# KiCad board labathome_pcb15.kicad_pcb (continued)
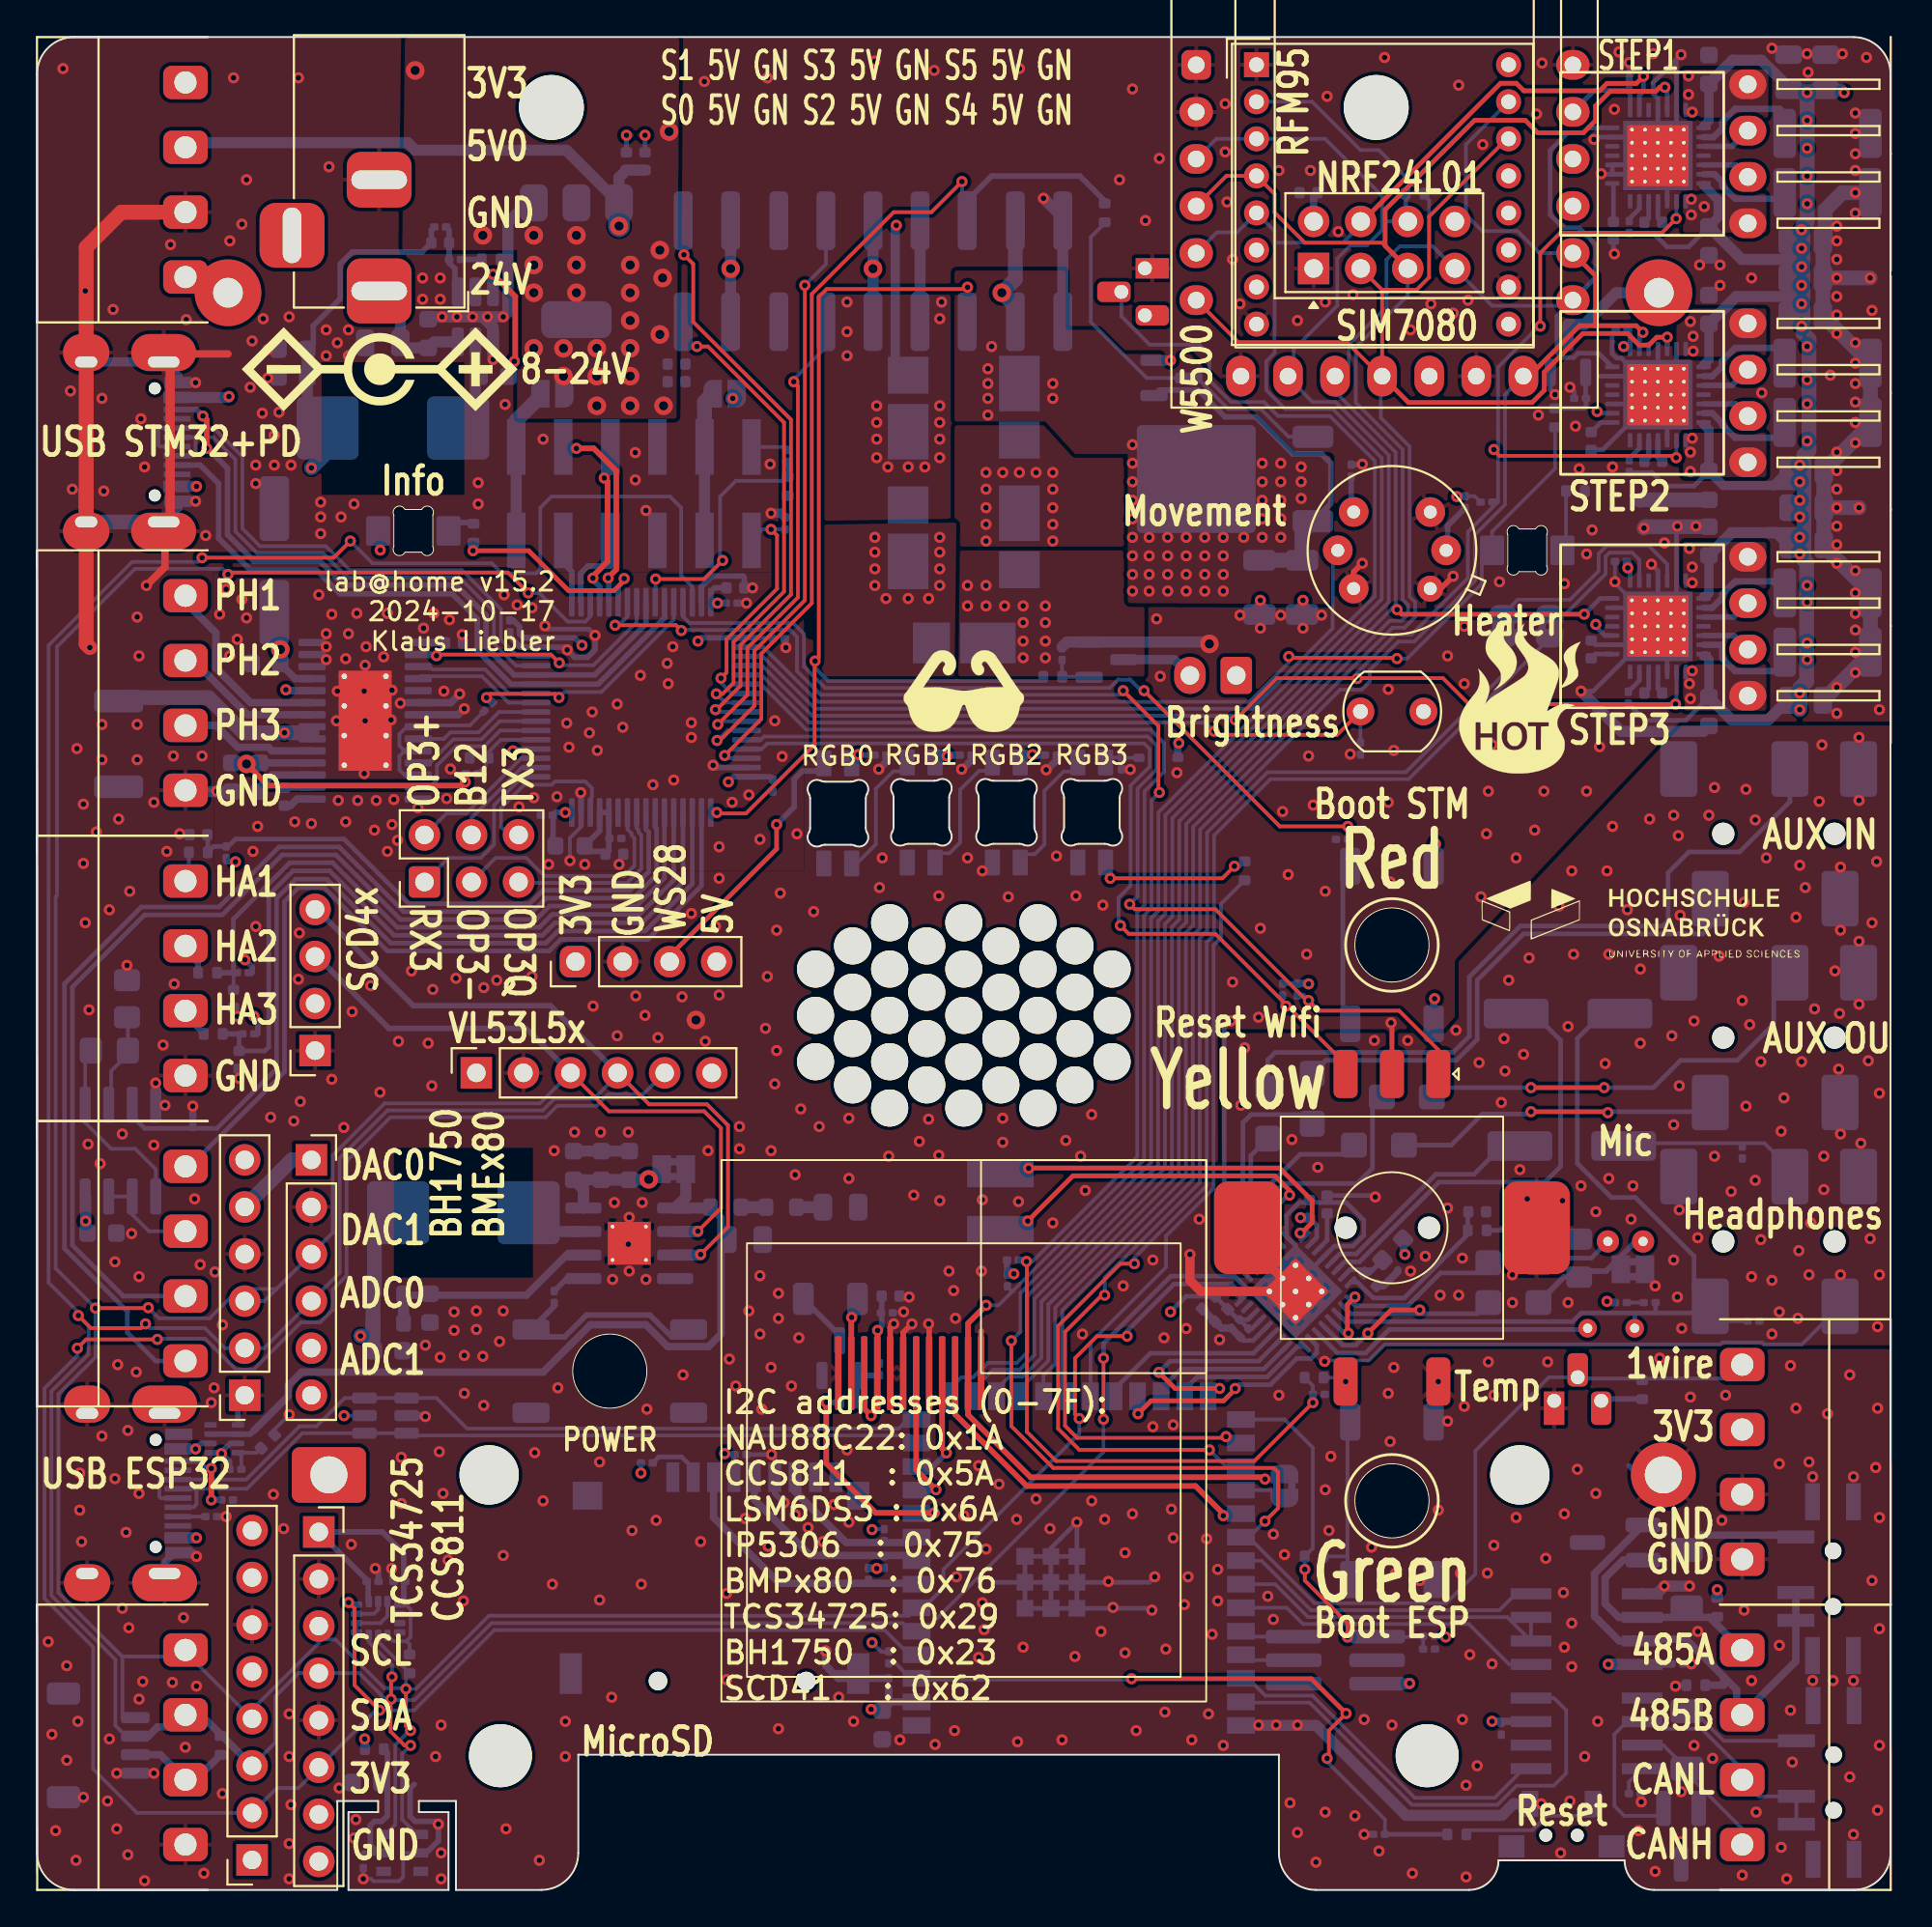
[diagram p0: board, top side]
## Routing (per net, layer and track width the routed paths; a pad name or vN(x,y) marks a point on that pad's centre or on a via; arc(x,y) is an arc through that point) (continued)
Net-(J5-CC2): length 4.2
  Top w0.3: v1(9.4,22.75) v1(9.4,21.05)
  Bottom w0.3: R19.1 v1(9.4,21.05) ; J5.B5 8.7,23.15 9.1,22.75 v1(9.4,22.75)
Net-(J7-Pin_2): length 3.9
  Bottom w0.5: J7.2 61.35,66.4 Q5.3
Net-(J17-DAT3/CD): length 2.6
  Bottom w0.25: 35.4,22.75 34.78,23.38 33.54,23.38 R61.2
Net-(J24-Pin_1):
  vias: v1(89.25,91.25) v1(89.25,90.4) v1(89.95,90.85)
Net-(J24-Pin_2): length 2.7
  Bottom w0.3: U14.26 91.65,93.1 J24.2
Net-(J24-Pin_3): length 2.7
  Bottom w0.3: U14.24 91.45,94.1 J24.3
Net-(J24-Pin_4):
  vias: v1(89.1,97.9) v1(89.1,96.9) v1(89.3,95.95)
Net-(J28-Pin_1): length 10.2
  Bottom w0.4: 14.84,64.08 11.52,64.08 9.65,65.95 9.65,67.85 8,69.5
Net-(J28-Pin_2): length 7.6
  Bottom w0.4: 8.43,66.35 11.36,63.42 U3.8
Net-(J28-Pin_3): length 7.4
  Bottom w0.4: J28.3 9.65,62.85 10.83,61.67 12.48,61.67 12.68,61.47 U3.5
Net-(J30-Pin_1):
  vias: v1(89.2,77.6) v1(89.2,76.55) v1(89.3,78.35)
Net-(J30-Pin_2): length 2.7
  Bottom w0.3: J30.2 91.65,80.2 U19.26
Net-(J30-Pin_3): length 2.7
  Bottom w0.3: J30.3 91.45,81.2 U19.24
Net-(J30-Pin_4):
  vias: v1(89.2,84.65) v1(89.35,83.85) v1(89.35,83.05)
Net-(J31-Pin_1):
  vias: v1(89.15,65.1) v1(89.2,64.3) v1(89.3,65.8)
Net-(J31-Pin_2): length 2.7
  Bottom w0.3: J31.2 91.55,67.7 U20.26
Net-(J31-Pin_3): length 2.7
  Bottom w0.3: J31.3 91.55,68.7 U20.24
Net-(J31-Pin_4):
  vias: v1(89.15,72.4) v1(89.3,71.4) v1(89.3,70.55)
Net-(J36-Pin_3): length 8.1
  Bottom w0.6: J36.4 J36.3
  Bottom w0.8: J36.3 36.01,80.31 JP4.1
Net-(J36-Pin_11): length 8.3
  Bottom w0.6: J36.12 J36.11
  Bottom w0.8: J36.11 25.85,79.3 27.15,80.6
Net-(JP1-B): length 6.2
  Bottom w0.3: 86.25,35 84.65,33.4 83.32,33.4 ; 83,33.08 82.38,33.08 C20.1
Net-(JP2-A): length 42.4
  Bottom w0.3: 11.7,24.8 11.5,24.6 U18.2 U18.7
  Bottom w0.4: 36.32,36.85 36.9,36.28 36.9,30 36.22,29.33 34.03,29.33 32.85,30.5 29.85,30.5 27.3,27.95 14.28,27.95 13.55,27.22 13.55,26.65 11.7,24.8
  Bottom w0.6: JP2.1 35,37.38 U2.1 36.28,36.81
Net-(JP3-A): length 2.5
  Bottom w0.2: JP3.1 66.87,21.58 66.6,21.58 66.6,21.57 66.1,21.57 66.1,21.58 U4.30
Net-(JP6-A): length 66.2
  Top w0.2: v1(64.15,24.47) 64.08,24.4 56.11,24.4 55.46,25.05 55.46,30.11 57.45,32.1 v1(57.6,32.1)
  Bottom w0.2: v1(57.6,32.1) 57.6,33.04 62.73,38.17 62.73,51.36 63.12,51.75 63.12,57.07 66.38,60.33 73.84,60.33 79.1,65.58 JP6.1 ; v1(64.15,24.47) 64.49,24.12
Net-(JP7-A): length 69.2
  Top w0.2: v1(63.25,23.75) 56.23,23.75 55.09,24.89 55.09,30.44 58.45,33.8 v1(59.2,33.8)
  Bottom w0.2: v1(63.25,23.75) 64.15,22.85 U4.29 ; JP7.1 74,59.95 66.54,59.95 63.5,56.91 63.5,51.55 63.1,51.15 63.1,38.02 59.2,34.12 v1(59.2,33.8)
Net-(MK1-+): length 7.3
  Bottom w0.25: 81.25,34.1 83.85,34.1 MK1.2 ; 81,34 79.4,35.6 R24.1
Net-(Q1-B): length 19.5
  Bottom w0.3: Q1.1 60.56,80.95 62.64,80.95 64.09,79.5 65.75,79.5 67.74,77.5 69.29,77.5 69.8,77 69.8,74.83 Q3.3
  Bottom w0.8: R15.1 R13.1 68.25,73.28 Q3.3
Net-(Q1-C): length 20.2
  Bottom w0.2: 57.6,89.95 56.85,89.2 56.85,84.62 59.87,81.6 62.59,81.6 64.27,79.92 66.03,79.92 67.52,78.43 Q3.1
Net-(Q2-G): length 3.5
  Bottom w0.25: Q2.1 83.55,80.52 ; R30.1 83.46,79.96 83.57,80.07 R31.2
Net-(Q5-G): length 2.3
  Bottom w0.2: 56.74,65.47 R35.1 ; 55.3,65.48 R45.2
Net-(Q6-D): length 2.8
  Bottom w0.3: 43.3,29.94 R78.2
Net-(Q6-G): length 2.6
  Bottom w0.3: 44.25,26.36 Q6.1 45.43,27.76
Net-(R1-Pad1): length 7.9
  Bottom w0.2: SW1.2 83.95,4 81.45,4 80.68,3.22 77.34,3.22 R1.1
Net-(R3-Pad1): length 1.3
  Bottom w0.65: R47.2 39.32,36.85
Net-(R4-Pad2): length 10.6
  Bottom w0.3: R4.2 27.9,31.5 SW5.2 ; 34.75,29.85 34.24,29.85 33.07,31.03 29.64,31.03 28.46,29.85 27.05,29.85
Net-(R25-Pad1): length 0.9
  Bottom w0.2: R25.1 R54.2
Net-(R40-Pad2): length 9.5
  Bottom w0.2: 70.7,18 70.7,25.1 ; 70.7,18 70.7,16.9 ; 70.7,18 R40.2
Net-(R48-Pad2): length 0.9
  Bottom w0.3: R60.1 23.74,88
Net-(R66-Pad1): length 1.3
  Bottom w0.2: R66.1 70.39,27.65 v1(70.6,27.44)
Net-(SW2-A): length 6.1
  Bottom w0.4: 94.79,19.15 89.8,19.15 R20.2
Net-(SW3-A): length 6.2
  Bottom w0.2: SW3.1 91,8.05 89.4,9.65
Net-(U2-BAT): length 12.1
  Bottom w0.4: 19.83,32.1 26.4,32.1 28.56,34.27 U2.6
  Bottom w0.6: R7.2 R28.2
Net-(U2-KEY): length 1.9
  Bottom w0.3: R4.1 28.57,33 U2.5
Net-(U2-SW): length 1.9
  Bottom w0.6: U2.7 27.54,35.53
Net-(U3-CPH): length 1.4
  Bottom w0.4: U3.2 13.39,59.53
Net-(U3-CPL): length 1.6
  Bottom w0.4: U3.1 14.03,58.88 13.67,58.52 C38.1
Net-(U3-V3P3): length 1.4
  Bottom w0.4: U3.15 22,67.33
Net-(U3-VCP): length 3.1
  Bottom w0.4: U3.3 12.68,60.17 12.5,60 12.5,60 12,59.5
Net-(U5-VDDA): length 6.3
  Bottom w0.3: 30.85,56.08 C37.1 30.52,56.05 29.84,56.05 FB2.1 30.35,57.16 U5.29 U5.28 30.85,56.08
Net-(U7-Rs): length 1.6
  Bottom w0.2: U7.8 85.88,5.82 R21.1
Net-(U10-AUXOUT1): length 9
  Bottom w0.25: 70.55,39.7 68.15,39.7 65.91,37.46 65.91,34.65 U10.21
Net-(U10-AUXOUT2): length 12.6
  Bottom w0.25: 72.05,42.3 72.05,38.95 71.22,38.12 67.28,38.12 66.33,37.18 66.33,34.93 U10.22
Net-(U10-LAUXIN): length 11.6
  Bottom w0.25: U10.19 65.06,34.08 65.06,41.41 65.5,41.85 68.3,41.85
Net-(U10-LHP): length 23.2
  Bottom w0.25: 80.75,47.3 82.2,45.85 82.2,39.05 81.35,38.2 75.65,38.2 71.35,33.9 70.55,33.9 70.16,33.51 U10.30
Net-(U10-LMICN): length 14.5
  Top w0.25: v1(74.6,31.3) 73.05,31.3 v1(71.8,30.05)
  Bottom w0.25: 70.52,31.45 70.87,31.1 77.7,31.1 C20.2 ; v1(71.8,30.05) 71.15,29.4 70.45,29.4 U10.5
Net-(U10-LMICP): length 12.2
  Top w0.25: v1(71.1,32) 70.7,31.6 70.7,30.1 v1(70.75,30.05)
  Bottom w0.25: U10.4 70.5,30.05 v1(70.75,30.05) ; C23.2 77.75,33.3 75.72,33.3 73.97,31.56 73.97,31.52 71.15,31.52 U10.1 70.91,31.81 v1(71.1,32)
Net-(U10-LSPKOUT): length 18.4
  Top w0.25: v1(68.15,35.45) 68.22,35.45 68.79,36.02 68.79,37.21 67.04,38.96 53.51,38.96 v1(53.5,38.95)
  Bottom w0.25: v1(68.15,35.45) 68.21,35.45 U10.25
Net-(U10-MICBIAS): length 9.3
  Bottom w0.25: 77.19,36.57 R24.2 77.19,35.37 73.76,31.95 72.09,31.95 71.24,32.79 U10.32
Net-(U10-MODE): length 1.4
  Bottom w0.25: U10.18 64.46,33.97 R26.1
Net-(U10-RAUXIN): length 7.3
  Bottom w0.25: C24.2 65.48,39.63 65.48,34.36 U10.20
Net-(U10-RHP): length 11.8
  Bottom w0.25: 79.05,40.15 77.53,38.62 75.47,38.62 71.17,34.33 70.28,34.33 U10.29
Net-(U10-RLIN/GPIO3): length 15.2
  Bottom w0.25: U10.6 70.16,28.97 71.68,28.97 72.95,30.25 83.29,30.25
Net-(U10-RSPKOUT): length 18.8
  Top w0.25: v1(53.45,36.1) 55.89,38.54 66.78,38.54 67.57,37.75 v1(67.57,37.5)
  Bottom w0.25: U10.23 66.76,35.21 66.76,36.76 67.5,37.5 v1(67.57,37.5)
Net-(U10-VREF): length 2.2
  Bottom w0.25: U10.27 69.6,35.06 C21.1
Net-(U12-VDD): length 9.5
  Bottom w0.3: 18.9,4.25 18.9,5.68 18.78,5.8 ; 18.9,4.25 18.9,7.41 R9.2 ; 18.9,4.25 18.9,4 18.6,3.7 18.2,3.7 17.97,3.47 17.97,2.43 18.4,2 U12.2 17.62,2
Net-(U14-5VOUT): length 2.1
  Bottom w0.25: C73.1 85.05,92.04 U14.8
Net-(U14-BRA): length 5.3
  Bottom w0.35: U14.23 90.45,94.6 90.93,95.08 90.93,95.44 91.61,96.12 94.02,96.12 94.29,95.86
Net-(U14-BRB): length 4.7
  Bottom w0.35: U14.27 90.5,92.6 90.93,92.17 90.93,91.96 91.61,91.28 93.96,91.28
Net-(U14-CPI): length 1.2
  Bottom w0.25: U14.5 86.95,90.23 C74.2
Net-(U14-CPO): length 1.2
  Bottom w0.25: U14.4 87.45,90.23 C74.1
Net-(U14-VCP): length 1.3
  Bottom w0.25: U14.6 86.45,90.74 85.9,90.19 C75.2
Net-(U16A--): length 4.7
  Bottom w0.2: 4,42.51 4,44.2 4.9,45.1 ; R52.2 4.9,47.05
Net-(U16B-+): length 9.9
  Bottom w0.2: 2.59,45 U16.1 2.59,41.41 4,40 5.3,40 6.41,38.89 6.41,37.42
Net-(U18-PR1): length 2.3
  Bottom w0.2: R72.1 11.02,23.42 U18.4 11.85,23.6 R73.2
Net-(U19-5VOUT): length 1.4
  Bottom w0.25: C70.1 84.37,79.2 U19.8
Net-(U19-BRA): length 5.2
  Bottom w0.35: 94.29,83.22 91.61,83.22 90.9,82.51 90.9,82.21 90.39,81.7 U19.23
Net-(U19-BRB): length 5
  Bottom w0.35: U19.27 90.39,79.7 90.93,79.16 90.93,79.06 91.61,78.38 94.29,78.38
Net-(U19-CPI): length 1.2
  Bottom w0.3: C71.2 86.95,77.33 U19.5
Net-(U19-CPO): length 1.2
  Bottom w0.3: U19.4 87.45,77.33 C71.1
Net-(U19-VCP): length 1.2
  Bottom w0.25: 85.9,77.25 86.45,77.8 U19.6
Net-(U20-5VOUT): length 1.2
  Bottom w0.25: U20.8 84.08,66.7 C94.1
Net-(U20-BRA): length 5.3
  Bottom w0.35: U20.23 90.39,69.2 90.93,69.74 90.93,69.94 91.61,70.62 93.66,70.62 R87.1
Net-(U20-BRB): length 5.2
  Bottom w0.35: 94.14,65.78 91.61,65.78 90.93,66.46 90.93,67.2 U20.27
Net-(U20-CPI): length 1.2
  Bottom w0.25: U20.5 86.95,64.83 C95.2
Net-(U20-CPO): length 1.2
  Bottom w0.25: C95.1 87.45,64.83 U20.4
Net-(U20-VCP): length 1.3
  Bottom w0.25: U20.6 86.45,65.27 C90.2
Net-(U22-OEN): length 2.6
  Bottom w0.3: R53.2 76.1,73.63 76.1,72.38
Net-(X2-LEDK): length 3.5
  Top w0.3: X2.2 43.93,30.88 v1(43.95,30.9)
  Bottom w0.3: v1(43.95,30.9) 44.26,31.21

## Copper pours and planes (outline as drawn; the poured copper is in the pictures)
+3V3 on Top, Bottom: 19.7,88.5 19.85,99.95 34.65,99.95 34.5,79.4 25.9,79.4 25.9,88.5
GND on Top: 85.4,95.6 89.6,95.6 89.6,91.7 85.4,91.7
GND on Top: 85.5,82.6 89.3,82.6 89.3,78.8 85.5,78.8
GND on Top: 85.3,70.2 89.4,70.2 89.4,66.2 85.3,66.2
GND on Top, Bottom, In1.Cu, In2.Cu: 9.5,71.1 41.35,71.1 41.4,55 27.25,55 26.45,55.8 22.15,55.8 21.35,55 9.55,55
GND on Top, Bottom, In1.Cu, In2.Cu: 0,100 100,100 100,0 0,0
GNDA on Top, Bottom, In1.Cu, In2.Cu: 76.7,50.1 88.73,62.85 101.53,62.85 101.53,29.4 72.75,29.4 71.85,28.5 69.2,28.5 63.9,33.8 63.93,38.1 63.9,46.25 76,46.25 76.7,47.05
/actors/D9_COOL on Top, Bottom: 49.5,79.25 54.4,79.25 56,77.5 58.85,77.5 58.85,69.45 69.75,69.4 69.8,77.4 67.8,77.4 62.2,82.9 58.6,82.9 57.3,84.2 55.5,84.2 55.5,87.4 49.5,87.4
/actors/D10_COOL on Top, Bottom: 42.5,65.5 49.5,65.5 49.6,73.8 41.68,73.67 41.57,67.92
/actors/D11_COOL on Top, Bottom: 59.74,72.42 49.5,72.5 49.5,65.5 59.75,65.5
/actors/D12_COOL on Top, Bottom: 49.6,73.8 49.5,86.25 41.5,86.25 41.6,73.78
/actors/D13_COOL on Top, Bottom: 49.5,72.5 62.3,72.5 62.3,79.25 49.5,79.25
Net-(J24-Pin_1) on Top, Bottom: 88.8,91.55 93.3,91.55 93.3,89.45 88.8,89.45
Net-(J24-Pin_4) on Top, Bottom: 88.8,95.65 93.4,95.65 93.4,98.25 88.8,98.25
Net-(J30-Pin_1) on Top, Bottom: 88.8,78.65 88.8,76.25 93.3,76.25 93.3,78.65
Net-(J30-Pin_4) on Top, Bottom: 88.45,82.75 93.3,82.75 93.3,85.35 88.45,85.35
Net-(J31-Pin_1) on Top, Bottom: 88.8,66.15 93.3,66.15 93.3,63.65 88.8,63.65
Net-(J31-Pin_4) on Top, Bottom: 88.8,70.25 88.8,72.75 93.3,72.75 93.3,70.25

## Text on the board
B.Silkscreen: IN 5V GN TX RX 3V / RE 5V GN CL DI 3V | Speaker
F.Silkscreen: S1 5V GN S3 5V GN S5 5V GN / S0 5V GN S2 5V GN S4 5V GN | STEP1 | lab@home v15.2 / 2024-10-17 / Klaus Liebler | POWER | I2C addresses (0-7F): / NAU88C22: 0x1A / CCS811  : 0x5A / LSM6DS3 : 0x6A / IP5306  : 0x75 / BMPx80  : 0x76 / TCS34725: 0x29 / BH1750  : 0x23 / SCD41   : 0x62 | USB STM32+PD | USB ESP32 | PH1 | PH2 | PH3 | GND | HA1 | HA2 | HA3 | DAC0 | DAC1 | ADC0 | ADC1 | SCL | SDA | 3V3 | VL53L5x | 5V0 | 24V | 8-24V | MicroSD | Movement | Brightness | Info | Reset Wifi | Boot STM | Boot ESP | Temp | Heater | Reset | Mic | SIM7080 | NRF24L01 | STEP2 | STEP3 | CANH | 1wire | 485A | 485B | CANL | AUX IN | Headphones | AUX OU | SCD4x | TCS34725 | OP3+ | BH1750 | CCS811 | B12 | BMEx80 | TX3 | WS28 | 5V | W5500 | RFM95 | RX3 | OP3- | OP3Q | Yellow | Red | Green
